# Altium PCB MB1166.PcbDoc (part 36 of 39) (continued)
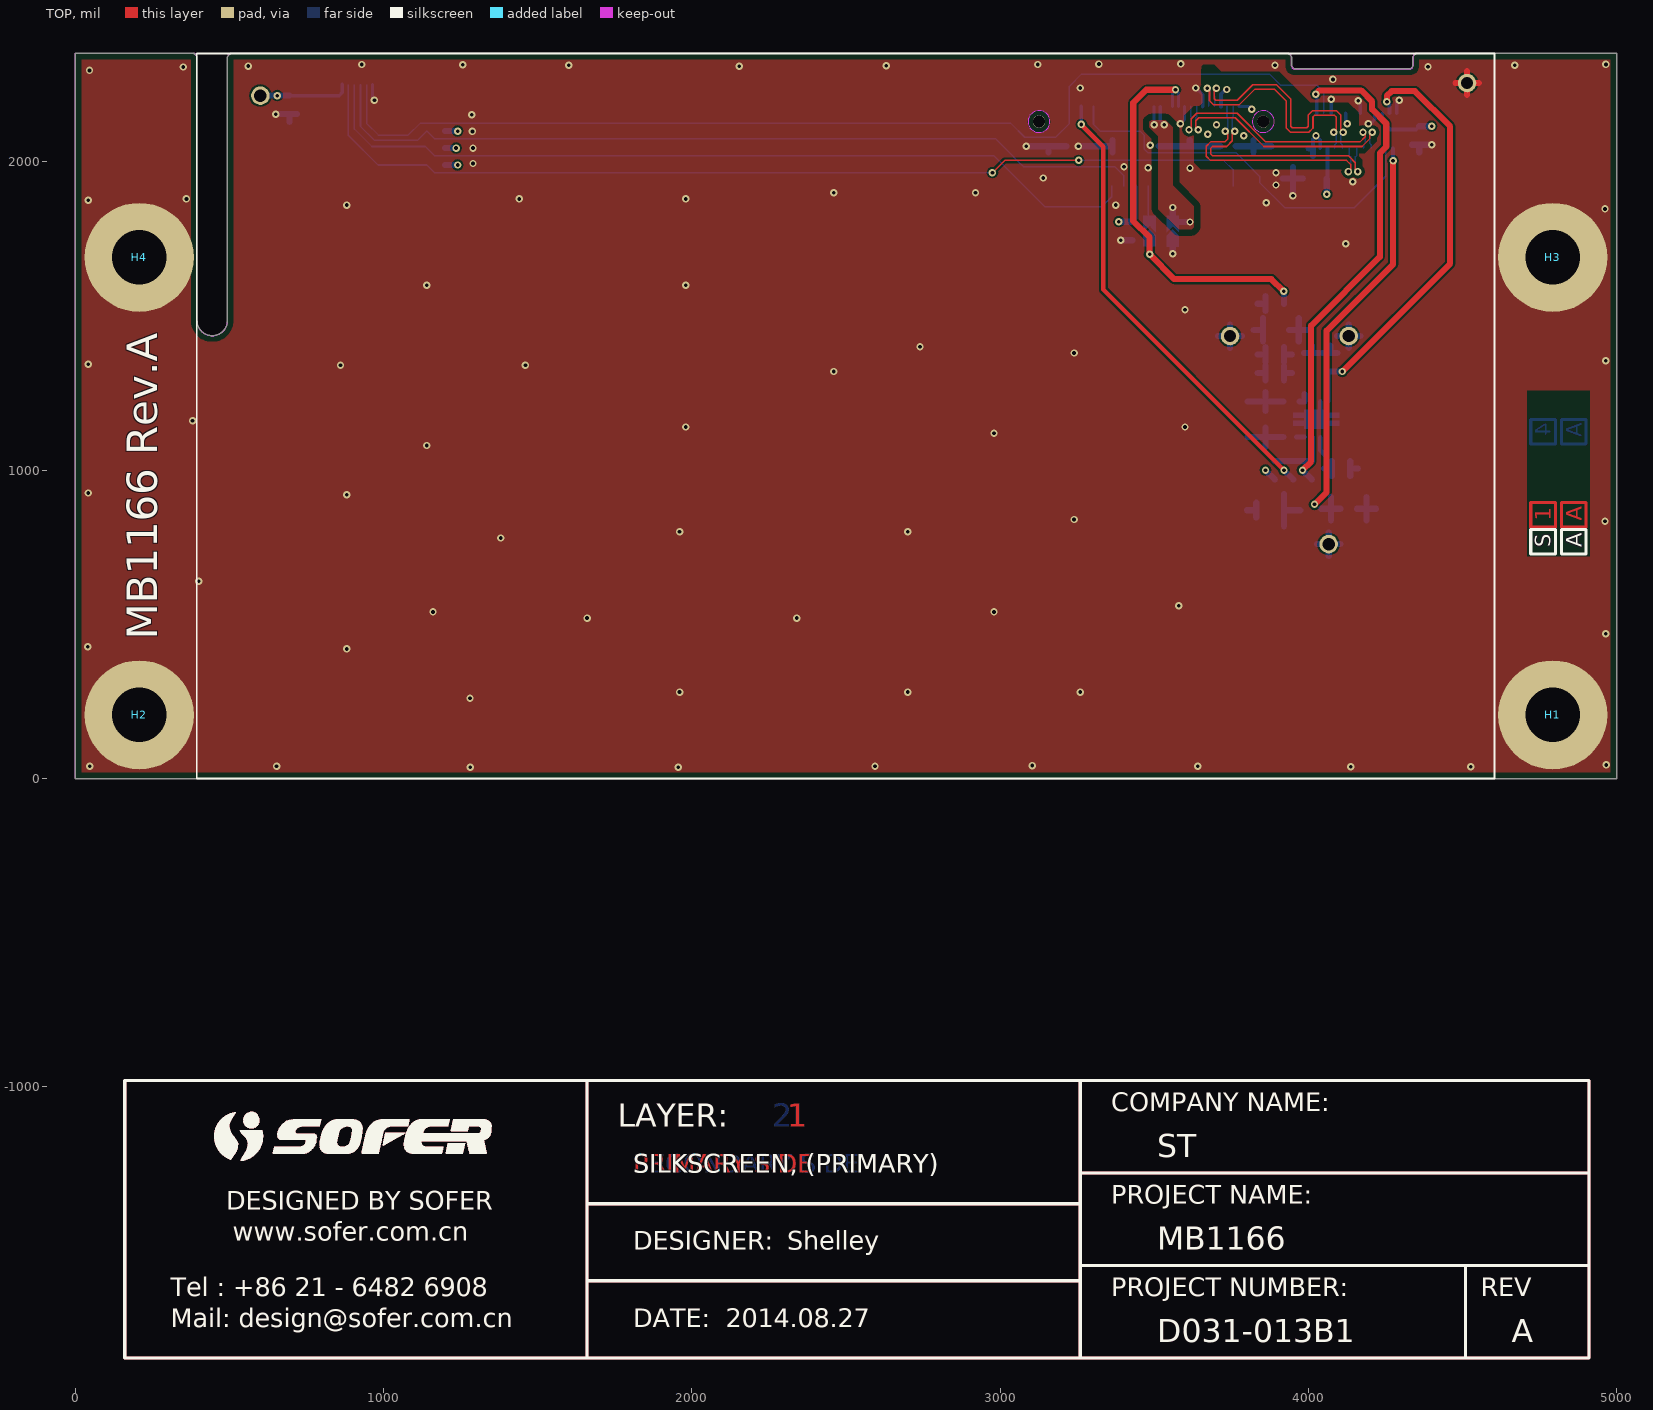
[diagram p0: TOP view]
## Nets (pads, with @x,y where several pads share a name; then routed paths per layer and width w, separated by ;. In a path a pad name is that pad's centre, name@x,y a point inside that pad or via, vN(x,y) a via of type N, cw(c..) or ccw(c..) an arc to the next point about the centre after c; other vN are vias at no path point) (continued)
519.93,-1172.63 ; 519.87,-1172.55 519.93,-1172.63 ; 519.89,-1212.16 519.95,-1212.07 ; 519.89,-1212.16 519.95,-1212.07 ; 519.95,-1212.07 520,-1211.99 ; 519.95,-1212.07 520,-1211.99 ; 519.93,-1172.63 519.98,-1172.72 ; 519.93,-1172.63 519.98,-1172.72 ; 520,-1211.99 520.05,-1211.9 ; 520,-1211.99 520.05,-1211.9 ; 519.98,-1172.72 520.03,-1172.8 ; 519.98,-1172.72 520.03,-1172.8 ; 520.05,-1211.9 520.1,-1211.82 ; 520.05,-1211.9 520.1,-1211.82 ; 520.03,-1172.8 520.09,-1172.89 ; 520.03,-1172.8 520.09,-1172.89 ; 520.1,-1211.82 520.16,-1211.73 ; 520.1,-1211.82 520.16,-1211.73 ; 520.09,-1172.89 520.14,-1172.97 ; 520.09,-1172.89 520.14,-1172.97 ; 520.16,-1211.73 520.21,-1211.65 ; 520.16,-1211.73 520.21,-1211.65 ; 520.14,-1172.97 520.19,-1173.06 ; 520.14,-1172.97 520.19,-1173.06 ; 520.21,-1211.65 520.26,-1211.56 ; 520.21,-1211.65 520.26,-1211.56 ; 520.19,-1173.06 520.24,-1173.14 ; 520.19,-1173.06 520.24,-1173.14 ; 520.26,-1211.56 520.31,-1211.48 ; 520.26,-1211.56 520.31,-1211.48 ; 520.24,-1173.14 520.3,-1173.23 ; 520.24,-1173.14 520.3,-1173.23 ; 520.31,-1211.48 520.36,-1211.39 ; 520.31,-1211.48 520.36,-1211.39 ; 520.3,-1173.23 520.35,-1173.31 ; 520.3,-1173.23 520.35,-1173.31 ; 520.36,-1211.39 520.42,-1211.31 ; 520.36,-1211.39 520.42,-1211.31 ; 520.35,-1173.31 520.4,-1173.4 ; 520.35,-1173.31 520.4,-1173.4 ; 520.42,-1211.31 520.47,-1211.22 ; 520.42,-1211.31 520.47,-1211.22 ; 520.4,-1173.4 520.45,-1173.48 ; 520.4,-1173.4 520.45,-1173.48 ; 520.47,-1211.22 520.52,-1211.14 ; 520.47,-1211.22 520.52,-1211.14 ; 520.45,-1173.48 520.5,-1173.57 ; 520.45,-1173.48 520.5,-1173.57 ; 520.52,-1211.14 520.62,-1210.96 ; 520.52,-1211.14 520.62,-1210.96 ; 520.5,-1173.57 520.55,-1173.65 ; 520.5,-1173.57 520.55,-1173.65 ; 520.55,-1173.65 520.61,-1173.74 ; 520.55,-1173.65 520.61,-1173.74 ; 520.62,-1210.96 520.67,-1210.88 ; 520.62,-1210.96 520.67,-1210.88 ; 520.61,-1173.74 520.66,-1173.83 ; 520.61,-1173.74 520.66,-1173.83 ; 520.67,-1210.88 520.73,-1210.79 ; 520.67,-1210.88 520.73,-1210.79 ; 520.66,-1173.83 520.71,-1173.91 ; 520.66,-1173.83 520.71,-1173.91 ; 520.71,-1173.91 520.76,-1174 ; 520.71,-1173.91 520.76,-1174 ; 520.73,-1210.79 520.78,-1210.71 ; 520.73,-1210.79 520.78,-1210.71 ; 520.76,-1174 520.81,-1174.08 ; 520.76,-1174 520.81,-1174.08 ; 520.78,-1210.71 520.88,-1210.53 ; 520.78,-1210.71 520.88,-1210.53 ; 520.81,-1174.08 520.91,-1174.26 ; 520.81,-1174.08 520.91,-1174.26 ; 520.88,-1210.53 520.93,-1210.45 ; 520.88,-1210.53 520.93,-1210.45 ; 520.91,-1174.26 520.96,-1174.34 ; 520.91,-1174.26 520.96,-1174.34 ; 520.93,-1210.45 520.98,-1210.36 ; 520.93,-1210.45 520.98,-1210.36 ; 520.96,-1174.34 521.01,-1174.43 ; 520.96,-1174.34 521.01,-1174.43 ; 520.98,-1210.36 521.03,-1210.28 ; 520.98,-1210.36 521.03,-1210.28 ; 521.01,-1174.43 521.07,-1174.51 ; 521.01,-1174.43 521.07,-1174.51 ; 521.03,-1210.28 521.13,-1210.1 ; 521.03,-1210.28 521.13,-1210.1 ; 521.07,-1174.51 521.17,-1174.69 ; 521.07,-1174.51 521.17,-1174.69 ; 521.13,-1210.1 521.18,-1210.02 ; 521.13,-1210.1 521.18,-1210.02 ; 521.17,-1174.69 521.22,-1174.77 ; 521.17,-1174.69 521.22,-1174.77 ; 521.18,-1210.02 521.28,-1209.84 ; 521.18,-1210.02 521.28,-1209.84 ; 521.22,-1174.77 521.32,-1174.95 ; 521.22,-1174.77 521.32,-1174.95 ; 521.28,-1209.84 521.33,-1209.76 ; 521.28,-1209.84 521.33,-1209.76 ; 521.32,-1174.95 521.37,-1175.03 ; 521.32,-1174.95 521.37,-1175.03 ; 521.33,-1209.76 521.43,-1209.58 ; 521.33,-1209.76 521.43,-1209.58 ; 521.37,-1175.03 521.42,-1175.12 ; 521.37,-1175.03 521.42,-1175.12 ; 521.42,-1175.12 521.46,-1175.21 ; 521.42,-1175.12 521.46,-1175.21 ; 521.43,-1209.58 521.48,-1209.5 ; 521.43,-1209.58 521.48,-1209.5 ; 521.46,-1175.21 521.51,-1175.29 ; 521.46,-1175.21 521.51,-1175.29 ; 521.48,-1209.5 521.58,-1209.32 ; 521.48,-1209.5 521.58,-1209.32 ; 521.51,-1175.29 521.66,-1175.56 ; 521.51,-1175.29 521.66,-1175.56 ; 521.58,-1209.32 521.63,-1209.24 ; 521.58,-1209.32 521.63,-1209.24 ; 521.63,-1209.24 521.73,-1209.06 ; 521.63,-1209.24 521.73,-1209.06 ; 521.66,-1175.56 521.71,-1175.64 ; 521.66,-1175.56 521.71,-1175.64 ; 521.71,-1175.64 521.86,-1175.91 ; 521.71,-1175.64 521.86,-1175.91 ; 521.73,-1209.06 521.78,-1208.98 ; 521.73,-1209.06 521.78,-1208.98 ; 521.78,-1208.98 521.88,-1208.8 ; 521.78,-1208.98 521.88,-1208.8 ; 521.86,-1175.91 521.9,-1175.99 ; 521.86,-1175.91 521.9,-1175.99 ; 521.88,-1208.8 521.92,-1208.71 ; 521.88,-1208.8 521.92,-1208.71 ; 521.92,-1208.71 521.97,-1208.63 ; 521.92,-1208.71 521.97,-1208.63 ; 521.9,-1175.99 522.05,-1176.26 ; 521.9,-1175.99 522.05,-1176.26 ; 521.97,-1208.63 522.12,-1208.36 ; 521.97,-1208.63 522.12,-1208.36 ; 522.05,-1176.26 522.1,-1176.34 ; 522.05,-1176.26 522.1,-1176.34 ; 522.12,-1208.36 522.16,-1208.27 ; 522.12,-1208.36 522.16,-1208.27 ; 522.1,-1176.34 522.15,-1176.43 ; 522.1,-1176.34 522.15,-1176.43 ; 522.16,-1208.27 522.21,-1208.19 ; 522.16,-1208.27 522.21,-1208.19 ; 522.15,-1176.43 522.19,-1176.52 ; 522.15,-1176.43 522.19,-1176.52 ; 522.21,-1208.19 522.31,-1208.01 ; 522.21,-1208.19 522.31,-1208.01 ; 522.19,-1176.52 522.29,-1176.7 ; 522.19,-1176.52 522.29,-1176.7 ; 522.31,-1208.01 522.35,-1207.92 ; 522.31,-1208.01 522.35,-1207.92 ; 522.29,-1176.7 522.34,-1176.78 ; 522.29,-1176.7 522.34,-1176.78 ; 522.35,-1207.92 522.4,-1207.83 ; 522.35,-1207.92 522.4,-1207.83 ; 522.34,-1176.78 522.38,-1176.87 ; 522.34,-1176.78 522.38,-1176.87 ; 522.4,-1207.83 522.45,-1207.75 ; 522.4,-1207.83 522.45,-1207.75 ; 522.38,-1176.87 522.48,-1177.05 ; 522.38,-1176.87 522.48,-1177.05 ; 522.45,-1207.75 522.49,-1207.66 ; 522.45,-1207.75 522.49,-1207.66 ; 522.49,-1207.66 522.59,-1207.48 ; 522.49,-1207.66 522.59,-1207.48 ; 522.52,-1177.14 522.48,-1177.05 ; 522.52,-1177.14 522.57,-1177.22 ; 522.52,-1177.14 522.48,-1177.05 ; 522.52,-1177.14 522.57,-1177.22 ; 522.57,-1177.22 522.62,-1177.31 ; 522.57,-1177.22 522.62,-1177.31 ; 522.59,-1207.48 522.63,-1207.39 ; 522.59,-1207.48 522.63,-1207.39 ; 522.62,-1177.31 522.66,-1177.4 ; 522.62,-1177.31 522.66,-1177.4 ; 522.63,-1207.39 522.68,-1207.3 ; 522.63,-1207.39 522.68,-1207.3 ; 522.66,-1177.4 522.76,-1177.58 ; 522.66,-1177.4 522.76,-1177.58 ; 522.68,-1207.3 522.72,-1207.21 ; 522.68,-1207.3 522.72,-1207.21 ; 522.72,-1207.21 522.77,-1207.12 ; 522.72,-1207.21 522.77,-1207.12 ; 522.77,-1207.12 522.81,-1207.03 ; 522.77,-1207.12 522.81,-1207.03 ; 522.76,-1177.58 522.8,-1177.67 ; 522.76,-1177.58 522.8,-1177.67 ; 522.81,-1207.03 522.86,-1206.95 ; 522.81,-1207.03 522.86,-1206.95 ; 522.8,-1177.67 522.85,-1177.76 ; 522.8,-1177.67 522.85,-1177.76 ; 522.86,-1206.95 522.9,-1206.86 ; 522.86,-1206.95 522.9,-1206.86 ; 522.85,-1177.76 522.9,-1177.84 ; 522.85,-1177.76 522.9,-1177.84 ; 522.9,-1206.86 522.95,-1206.77 ; 522.9,-1206.86 522.95,-1206.77 ; 522.9,-1177.84 522.94,-1177.93 ; 522.9,-1177.84 522.94,-1177.93 ; 522.95,-1206.77 522.99,-1206.68 ; 522.95,-1206.77 522.99,-1206.68 ; 522.94,-1177.93 522.99,-1178.02 ; 522.94,-1177.93 522.99,-1178.02 ; 522.99,-1206.68 523.04,-1206.59 ; 522.99,-1206.68 523.04,-1206.59 ; 522.99,-1178.02 523.03,-1178.11 ; 522.99,-1178.02 523.03,-1178.11 ; 523.04,-1206.59 523.12,-1206.41 ; 523.04,-1206.59 523.12,-1206.41 ; 523.03,-1178.11 523.08,-1178.2 ; 523.03,-1178.11 523.08,-1178.2 ; 523.12,-1206.41 523.17,-1206.32 ; 523.12,-1206.41 523.17,-1206.32 ; 523.12,-1178.29 523.08,-1178.2 ; 523.12,-1178.29 523.17,-1178.38 ; 523.12,-1178.29 523.08,-1178.2 ; 523.12,-1178.29 523.17,-1178.38 ; 523.17,-1206.32 523.25,-1206.14 ; 523.17,-1206.32 523.25,-1206.14 ; 523.17,-1178.38 523.21,-1178.47 ; 523.17,-1178.38 523.21,-1178.47 ; 523.21,-1178.47 523.26,-1178.56 ; 523.21,-1178.47 523.26,-1178.56 ; 523.25,-1206.14 523.3,-1206.05 ; 523.25,-1206.14 523.3,-1206.05 ; 523.26,-1178.56 523.3,-1178.65 ; 523.26,-1178.56 523.3,-1178.65 ; 523.3,-1206.05 523.34,-1205.96 ; 523.3,-1206.05 523.34,-1205.96 ; 523.3,-1178.65 523.35,-1178.74 ; 523.3,-1178.65 523.35,-1178.74 ; 523.34,-1205.96 523.38,-1205.86 ; 523.34,-1205.96 523.38,-1205.86 ; 523.35,-1178.74 523.39,-1178.82 ; 523.35,-1178.74 523.39,-1178.82 ; 523.38,-1205.86 523.46,-1205.68 ; 523.38,-1205.86 523.46,-1205.68 ; 523.39,-1178.82 523.44,-1178.91 ; 523.39,-1178.82 523.44,-1178.91 ; 523.46,-1205.68 523.51,-1205.59 ; 523.46,-1205.68 523.51,-1205.59 ; 523.44,-1178.91 523.48,-1179 ; 523.44,-1178.91 523.48,-1179 ; 523.51,-1205.59 523.71,-1205.14 ; 523.51,-1205.59 523.71,-1205.14 ; 523.48,-1179 523.53,-1179.09 ; 523.48,-1179 523.53,-1179.09 ; 523.57,-1179.18 523.53,-1179.09 ; 523.57,-1179.18 523.62,-1179.27 ; 523.57,-1179.18 523.53,-1179.09 ; 523.57,-1179.18 523.62,-1179.27 ; 523.62,-1179.27 523.66,-1179.36 ; 523.62,-1179.27 523.66,-1179.36 ; 523.66,-1179.36 523.71,-1179.45 ; 523.66,-1179.36 523.71,-1179.45 ; 523.71,-1205.14 523.75,-1205.04 ; 523.71,-1205.14 523.75,-1205.04 ; 523.71,-1179.45 523.79,-1179.63 ; 523.71,-1179.45 523.79,-1179.63 ; 523.75,-1205.04 523.91,-1204.68 ; 523.75,-1205.04 523.91,-1204.68 ; 523.79,-1179.63 523.84,-1179.72 ; 523.79,-1179.63 523.84,-1179.72 ; 523.84,-1179.72 523.92,-1179.9 ; 523.84,-1179.72 523.92,-1179.9 ; 523.91,-1204.68 523.95,-1204.58 ; 523.91,-1204.68 523.95,-1204.58 ; 523.92,-1179.9 523.97,-1179.99 ; 523.92,-1179.9 523.97,-1179.99 ; 523.95,-1204.58 523.98,-1204.49 ; 523.95,-1204.58 523.98,-1204.49 ; 523.97,-1179.99 524.05,-1180.17 ; 523.97,-1179.99 524.05,-1180.17 ; 523.98,-1204.49 524.06,-1204.31 ; 523.98,-1204.49 524.06,-1204.31 ; 524.06,-1204.31 524.1,-1204.21 ; 524.06,-1204.31 524.1,-1204.21 ; 524.05,-1180.17 524.1,-1180.26 ; 524.05,-1180.17 524.1,-1180.26 ; 524.1,-1204.21 524.13,-1204.12 ; 524.1,-1204.21 524.13,-1204.12 ; 524.1,-1180.26 524.18,-1180.44 ; 524.1,-1180.26 524.18,-1180.44 ; 524.13,-1204.12 524.21,-1203.94 ; 524.13,-1204.12 524.21,-1203.94 ; 524.21,-1203.94 524.24,-1203.84 ; 524.21,-1203.94 524.24,-1203.84 ; 524.18,-1180.44 524.23,-1180.53 ; 524.18,-1180.44 524.23,-1180.53 ; 524.24,-1203.84 524.32,-1203.66 ; 524.24,-1203.84 524.32,-1203.66 ; 524.23,-1180.53 524.35,-1180.8 ; 524.23,-1180.53 524.35,-1180.8 ; 524.32,-1203.66 524.35,-1203.56 ; 524.32,-1203.66 524.35,-1203.56 ; 524.35,-1203.56 524.39,-1203.47 ; 524.35,-1203.56 524.39,-1203.47 ; 524.35,-1180.8 524.4,-1180.9 ; 524.35,-1180.8 524.4,-1180.9 ; 524.39,-1203.47 524.42,-1203.37 ; 524.39,-1203.47 524.42,-1203.37 ; 524.42,-1203.37 524.46,-1203.28 ; 524.42,-1203.37 524.46,-1203.28 ; 524.4,-1180.9 524.6,-1181.35 ; 524.4,-1180.9 524.6,-1181.35 ; 524.46,-1203.28 524.49,-1203.19 ; 524.46,-1203.28 524.49,-1203.19 ; 524.49,-1203.19 524.52,-1203.09 ; 524.49,-1203.19 524.52,-1203.09 ; 524.52,-1203.09 524.56,-1203 ; 524.52,-1203.09 524.56,-1203 ; 524.56,-1203 524.59,-1202.9 ; 524.56,-1203 524.59,-1202.9 ; 524.59,-1202.9 524.62,-1202.81 ; 524.59,-1202.9 524.62,-1202.81 ; 524.62,-1202.81 524.66,-1202.71 ; 524.62,-1202.81 524.66,-1202.71 ; 524.6,-1181.35 524.65,-1181.44 ; 524.6,-1181.35 524.65,-1181.44 ; 524.66,-1202.71 524.72,-1202.53 ; 524.66,-1202.71 524.72,-1202.53 ; 524.65,-1181.44 524.77,-1181.71 ; 524.65,-1181.44 524.77,-1181.71 ; 524.72,-1202.53 524.75,-1202.43 ; 524.72,-1202.53 524.75,-1202.43 ; 524.75,-1202.43 524.78,-1202.34 ; 524.75,-1202.43 524.78,-1202.34 ; 524.77,-1181.71 524.81,-1181.81 ; 524.77,-1181.71 524.81,-1181.81 ; 524.78,-1202.34 524.81,-1202.24 ; 524.78,-1202.34 524.81,-1202.24 ; 524.81,-1202.24 524.85,-1202.15 ; 524.81,-1202.24 524.85,-1202.15 ; 524.81,-1181.81 524.97,-1182.17 ; 524.81,-1181.81 524.97,-1182.17 ; 524.85,-1202.15 524.88,-1202.05 ; 524.85,-1202.15 524.88,-1202.05 ; 524.88,-1202.05 524.91,-1201.96 ; 524.88,-1202.05 524.91,-1201.96 ; 524.91,-1201.96 524.97,-1201.76 ; 524.91,-1201.96 524.97,-1201.76 ; 524.97,-1201.76 525,-1201.67 ; 524.97,-1201.76 525,-1201.67 ; 524.97,-1182.17 525.01,-1182.27 ; 524.97,-1182.17 525.01,-1182.27 ; 525,-1201.67 525.02,-1201.57 ; 525,-1201.67 525.02,-1201.57 ; 525.02,-1201.57 525.05,-1201.48 ; 525.02,-1201.57 525.05,-1201.48 ; 525.01,-1182.27 525.05,-1182.36 ; 525.01,-1182.27 525.05,-1182.36 ; 525.05,-1201.48 525.08,-1201.38 ; 525.05,-1201.48 525.08,-1201.38 ; 525.05,-1182.36 525.08,-1182.45 ; 525.05,-1182.36 525.08,-1182.45 ; 525.08,-1201.38 525.11,-1201.29 ; 525.08,-1201.38 525.11,-1201.29 ; 525.11,-1201.29 525.17,-1201.09 ; 525.11,-1201.29 525.17,-1201.09 ; 525.08,-1182.45 525.16,-1182.63 ; 525.08,-1182.45 525.16,-1182.63 ; 525.17,-1201.09 525.19,-1201 ; 525.17,-1201.09 525.19,-1201 ; 525.16,-1182.63 525.2,-1182.73 ; 525.16,-1182.63 525.2,-1182.73 ; 525.19,-1201 525.25,-1200.8 ; 525.19,-1201 525.25,-1200.8 ; 525.2,-1182.73 525.24,-1182.82 ; 525.2,-1182.73 525.24,-1182.82 ; 525.25,-1200.8 525.27,-1200.71 ; 525.25,-1200.8 525.27,-1200.71 ; 525.27,-1200.71 525.3,-1200.61 ; 525.27,-1200.71 525.3,-1200.61 ; 525.27,-1182.91 525.24,-1182.82 ; 525.27,-1182.91 525.31,-1183.01 ; 525.27,-1182.91 525.24,-1182.82 ; 525.27,-1182.91 525.31,-1183.01 ; 525.3,-1200.61 525.33,-1200.52 ; 525.3,-1200.61 525.33,-1200.52 ; 525.31,-1183.01 525.35,-1183.1 ; 525.31,-1183.01 525.35,-1183.1 ; 525.33,-1200.52 525.35,-1200.42 ; 525.33,-1200.52 525.35,-1200.42 ; 525.35,-1200.42 525.38,-1200.32 ; 525.35,-1200.42 525.38,-1200.32 ; 525.35,-1183.1 525.38,-1183.19 ; 525.35,-1183.1 525.38,-1183.19 ; 525.38,-1200.32 525.4,-1200.22 ; 525.38,-1200.32 525.4,-1200.22 ; 525.4,-1200.22 525.43,-1200.13 ; 525.4,-1200.22 525.43,-1200.13 ; 525.42,-1183.29 525.38,-1183.19 ; 525.42,-1183.29 525.45,-1183.38 ; 525.42,-1183.29 525.38,-1183.19 ; 525.42,-1183.29 525.45,-1183.38 ; 525.43,-1200.13 525.45,-1200.03 ; 525.43,-1200.13 525.45,-1200.03 ; 525.45,-1200.03 525.48,-1199.93 ; 525.45,-1200.03 525.48,-1199.93 ; 525.45,-1183.38 525.49,-1183.47 ; 525.45,-1183.38 525.49,-1183.47 ; 525.48,-1199.93 525.5,-1199.84 ; 525.48,-1199.93 525.5,-1199.84 ; 525.5,-1199.84 525.52,-1199.74 ; 525.5,-1199.84 525.52,-1199.74 ; 525.52,-1199.74 525.55,-1199.64 ; 525.52,-1199.74 525.55,-1199.64 ; 525.52,-1183.57 525.49,-1183.47 ; 525.52,-1183.57 525.56,-1183.66 ; 525.52,-1183.57 525.49,-1183.47 ; 525.52,-1183.57 525.56,-1183.66 ; 525.55,-1199.64 525.57,-1199.55 ; 525.55,-1199.64 525.57,-1199.55 ; 525.57,-1199.55 525.59,-1199.45 ; 525.57,-1199.55 525.59,-1199.45 ; 525.56,-1183.66 525.59,-1183.75 ; 525.56,-1183.66 525.59,-1183.75 ; 525.59,-1199.45 525.62,-1199.35 ; 525.59,-1199.45 525.62,-1199.35 ; 525.62,-1199.35 525.64,-1199.25 ; 525.62,-1199.35 525.64,-1199.25 ; 525.62,-1183.85 525.59,-1183.75 ; 525.62,-1183.85 525.66,-1183.94 ; 525.62,-1183.85 525.59,-1183.75 ; 525.62,-1183.85 525.66,-1183.94 ; 525.64,-1199.25 525.66,-1199.16 ; 525.64,-1199.25 525.66,-1199.16 ; 525.66,-1199.16 525.72,-1198.86 ; 525.66,-1199.16 525.72,-1198.86 ; 525.66,-1183.94 525.69,-1184.04 ; 525.66,-1183.94 525.69,-1184.04 ; 525.72,-1198.86 525.75,-1198.76 ; 525.72,-1198.86 525.75,-1198.76 ; 525.72,-1184.13 525.69,-1184.04 ; 525.72,-1184.13 525.75,-1184.23 ; 525.72,-1184.13 525.69,-1184.04 ; 525.72,-1184.13 525.75,-1184.23 ; 525.75,-1198.76 525.77,-1198.67 ; 525.75,-1198.76 525.77,-1198.67 ; 525.77,-1198.67 525.83,-1198.37 ; 525.77,-1198.67 525.83,-1198.37 ; 525.75,-1184.23 525.78,-1184.32 ; 525.75,-1184.23 525.78,-1184.32 ; 525.82,-1184.42 525.78,-1184.32 ; 525.82,-1184.42 525.85,-1184.51 ; 525.82,-1184.42 525.78,-1184.32 ; 525.82,-1184.42 525.85,-1184.51 ; 525.83,-1198.37 525.85,-1198.28 ; 525.83,-1198.37 525.85,-1198.28 ; 525.85,-1198.28 525.91,-1197.98 ; 525.85,-1198.28 525.91,-1197.98 ; 525.85,-1184.51 525.88,-1184.61 ; 525.85,-1184.51 525.88,-1184.61 ; 525.91,-1197.98 525.92,-1197.88 ; 525.91,-1197.98 525.92,-1197.88 ; 525.92,-1197.88 525.94,-1197.78 ; 525.92,-1197.88 525.94,-1197.78 ; 525.9,-1184.7 525.88,-1184.61 ; 525.9,-1184.7 525.96,-1184.9 ; 525.9,-1184.7 525.88,-1184.61 ; 525.9,-1184.7 525.96,-1184.9 ; 525.94,-1197.78 525.96,-1197.69 ; 525.94,-1197.78 525.96,-1197.69 ; 525.96,-1197.69 526,-1197.49 ; 525.96,-1197.69 526,-1197.49 ; 525.96,-1184.9 525.99,-1184.99 ; 525.96,-1184.9 525.99,-1184.99 ; 526,-1197.49 526.01,-1197.39 ; 526,-1197.49 526.01,-1197.39 ; 526.01,-1197.39 526.05,-1197.19 ; 526.01,-1197.39 526.05,-1197.19 ; 526.02,-1185.09 525.99,-1184.99 ; 526.02,-1185.09 526.04,-1185.18 ; 526.02,-1185.09 525.99,-1184.99 ; 526.02,-1185.09 526.04,-1185.18 ; 526.05,-1197.19 526.07,-1197.1 ; 526.05,-1197.19 526.07,-1197.1 ; 526.07,-1197.1 526.08,-1197 ; 526.07,-1197.1 526.08,-1197 ; 526.04,-1185.18 526.1,-1185.38 ; 526.04,-1185.18 526.1,-1185.38 ; 526.08,-1197 526.1,-1196.9 ; 526.08,-1197 526.1,-1196.9 ; 526.1,-1196.9 526.11,-1196.8 ; 526.1,-1196.9 526.11,-1196.8 ; 526.11,-1196.8 526.15,-1196.6 ; 526.11,-1196.8 526.15,-1196.6 ; 526.12,-1185.47 526.1,-1185.38 ; 526.12,-1185.47 526.14,-1185.57 ; 526.12,-1185.47 526.1,-1185.38 ; 526.12,-1185.47 526.14,-1185.57 ; 526.15,-1196.6 526.16,-1196.5 ; 526.15,-1196.6 526.16,-1196.5 ; 526.16,-1196.5 526.18,-1196.4 ; 526.16,-1196.5 526.18,-1196.4 ; 526.17,-1185.67 526.14,-1185.57 ; 526.17,-1185.67 526.19,-1185.77 ; 526.17,-1185.67 526.14,-1185.57 ; 526.17,-1185.67 526.19,-1185.77 ; 526.18,-1196.4 526.19,-1196.31 ; 526.18,-1196.4 526.19,-1196.31 ; 526.19,-1196.31 526.21,-1196.21 ; 526.19,-1196.31 526.21,-1196.21 ; 526.21,-1196.21 526.22,-1196.11 ; 526.21,-1196.21 526.22,-1196.11 ; 526.22,-1196.11 526.24,-1196.01 ; 526.22,-1196.11 526.24,-1196.01 ; 526.21,-1185.86 526.19,-1185.77 ; 526.21,-1185.86 526.24,-1185.96 ; 526.21,-1185.86 526.19,-1185.77 ; 526.21,-1185.86 526.24,-1185.96 ; 526.24,-1196.01 526.26,-1195.81 ; 526.24,-1196.01 526.26,-1195.81 ; 526.26,-1195.81 526.28,-1195.71 ; 526.26,-1195.81 526.28,-1195.71 ; 526.24,-1185.96 526.28,-1186.16 ; 526.24,-1185.96 526.28,-1186.16 ; 526.28,-1195.71 526.3,-1195.51 ; 526.28,-1195.71 526.3,-1195.51 ; 526.3,-1195.51 526.32,-1195.41 ; 526.3,-1195.51 526.32,-1195.41 ; 526.32,-1195.41 526.33,-1195.31 ; 526.32,-1195.41 526.33,-1195.31 ; 526.3,-1186.25 526.28,-1186.16 ; 526.3,-1186.25 526.36,-1186.55 ; 526.3,-1186.25 526.28,-1186.16 ; 526.3,-1186.25 526.36,-1186.55 ; 526.33,-1195.31 526.34,-1195.22 ; 526.33,-1195.31 526.34,-1195.22 ; 526.34,-1195.22 526.35,-1195.12 ; 526.34,-1195.22 526.35,-1195.12 ; 526.35,-1195.12 526.37,-1195.02 ; 526.35,-1195.12 526.37,-1195.02 ; 526.37,-1195.02 526.51,-1193.62 ; 526.37,-1195.02 526.51,-1193.62 ; 526.37,-1186.65 526.36,-1186.55 ; 526.37,-1186.65 526.39,-1186.75 ; 526.37,-1186.65 526.36,-1186.55 ; 526.37,-1186.65 526.39,-1186.75 ; 526.42,-1186.94 526.41,-1186.84 ; 526.42,-1186.94 526.44,-1187.04 ; 526.42,-1186.94 526.41,-1186.84 ; 526.42,-1186.94 526.44,-1187.04 ; 526.41,-1186.84 526.39,-1186.75 ; 526.41,-1186.84 526.39,-1186.75 ; 526.47,-1187.24 526.45,-1187.14 ; 526.47,-1187.24 526.48,-1187.34 ; 526.47,-1187.24 526.45,-1187.14 ; 526.47,-1187.24 526.48,-1187.34 ; 526.45,-1187.14 526.44,-1187.04 ; 526.45,-1187.14 526.44,-1187.04 ; 526.51,-1193.62 526.52,-1193.53 ; 526.51,-1193.62 526.52,-1193.53 ; 526.52,-1193.53 526.55,-1193.23 ; 526.52,-1193.53 526.55,-1193.23 ; 526.5,-1187.44 526.48,-1187.34 ; 526.5,-1187.44 526.53,-1187.74 ; 526.5,-1187.44 526.48,-1187.34 ; 526.5,-1187.44 526.53,-1187.74 ; 526.55,-1193.23 526.55,-1193.13 ; 526.55,-1193.23 526.55,-1193.13 ; 526.55,-1193.13 526.58,-1192.83 ; 526.55,-1193.13 526.58,-1192.83 ; 526.54,-1187.83 526.53,-1187.74 ; 526.54,-1187.83 526.62,-1188.63 ; 526.54,-1187.83 526.53,-1187.74 ; 526.54,-1187.83 526.62,-1188.63 ; 526.58,-1192.83 526.58,-1192.73 ; 526.58,-1192.83 526.58,-1192.73 ; 526.58,-1192.73 526.6,-1192.53 ; 526.58,-1192.73 526.6,-1192.53 ; 526.6,-1192.53 526.6,-1192.43 ; 526.6,-1192.53 526.6,-1192.43 ; 526.6,-1192.43 526.62,-1192.23 ; 526.6,-1192.43 526.62,-1192.23 ; 526.62,-1192.23 526.62,-1192.13 ; 526.62,-1192.23 526.62,-1192.13 ; 526.62,-1192.13 526.63,-1192.03 ; 526.62,-1192.13 526.63,-1192.03 ; 526.62,-1188.73 526.62,-1188.63 ; 526.62,-1188.73 526.63,-1188.83 ; 526.62,-1188.73 526.62,-1188.63 ; 526.62,-1188.73 526.63,-1188.83 ; 526.63,-1192.03 526.63,-1191.93 ; 526.63,-1192.03 526.63,-1191.93 ; 526.63,-1191.93 526.64,-1191.83 ; 526.63,-1191.93 526.64,-1191.83 ; 526.64,-1191.83 526.64,-1191.73 ; 526.64,-1191.83 526.64,-1191.73 ; 526.64,-1191.73 526.65,-1191.63 ; 526.64,-1191.73 526.65,-1191.63 ; 526.65,-1191.63 526.65,-1191.43 ; 526.65,-1191.63 526.65,-1191.43 ; 526.65,-1191.43 526.66,-1191.33 ; 526.65,-1191.43 526.66,-1191.33 ; 526.66,-1191.33 526.66,-1191.13 ; 526.66,-1191.33 526.66,-1191.13 ; 526.66,-1191.13 526.67,-1191.03 ; 526.66,-1191.13 526.67,-1191.03 ; 526.67,-1191.03 526.67,-1189.73 ; 526.67,-1191.03 526.67,-1189.73 ; 526.67,-1189.73 526.66,-1189.63 ; 526.67,-1189.73 526.66,-1189.63 ; 526.66,-1189.63 526.66,-1189.43 ; 526.66,-1189.63 526.66,-1189.43 ; 526.66,-1189.43 526.65,-1189.33 ; 526.66,-1189.43 526.65,-1189.33 ; 526.65,-1189.33 526.65,-1189.23 ; 526.65,-1189.33 526.65,-1189.23 ; 526.65,-1189.23 526.64,-1189.13 ; 526.65,-1189.23 526.64,-1189.13 ; 526.64,-1189.13 526.64,-1189.03 ; 526.64,-1189.13 526.64,-1189.03 ; 526.64,-1189.03 526.63,-1188.93 ; 526.64,-1189.03 526.63,-1188.93 ; 526.63,-1188.93 526.63,-1188.83 ; 526.63,-1188.93 526.63,-1188.83 ; 534.07,-1141.67 534.1,-1141.77 ; 534.07,-1141.67 606.33,-1141.67 534.07,-1141.67 ; 534.07,-1141.67 534.1,-1141.77 ; 534.1,-1141.77 534.14,-1141.86 ; 534.1,-1141.77 534.14,-1141.86 ; 534.17,-1141.95 534.14,-1141.86 ; 534.17,-1141.95 534.21,-1142.05 ; 534.17,-1141.95 534.14,-1141.86 ; 534.17,-1141.95 534.21,-1142.05 ; 534.21,-1142.05 534.24,-1142.14 ; 534.21,-1142.05 534.24,-1142.14 ; 534.24,-1142.14 534.28,-1142.24 ; 534.24,-1142.14 534.28,-1142.24 ; 534.31,-1142.33 534.28,-1142.24 ; 534.31,-1142.33 534.39,-1142.51 ; 534.31,-1142.33 534.28,-1142.24 ; 534.31,-1142.33 534.39,-1142.51 ; 534.39,-1142.51 534.43,-1142.61 ; 534.39,-1142.51 534.43,-1142.61 ; 534.46,-1142.7 534.43,-1142.61 ; 534.46,-1142.7 534.62,-1143.06 ; 534.46,-1142.7 534.43,-1142.61 ; 534.46,-1142.7 534.62,-1143.06 ; 534.62,-1143.06 534.67,-1143.16 ; 534.62,-1143.06 534.67,-1143.16 ; 534.67,-1143.16 534.79,-1143.43 ; 534.67,-1143.16 534.79,-1143.43 ; 534.79,-1143.43 534.84,-1143.52 ; 534.79,-1143.43 534.84,-1143.52 ; 534.84,-1143.52 534.88,-1143.61 ; 534.84,-1143.52 534.88,-1143.61 ; 534.88,-1143.61 534.93,-1143.7 ; 534.88,-1143.61 534.93,-1143.7 ; 534.97,-1143.79 534.93,-1143.7 ; 534.97,-1143.79 535.02,-1143.88 ; 534.97,-1143.79 534.93,-1143.7 ; 534.97,-1143.79 535.02,-1143.88 ; 535.02,-1143.88 535.06,-1143.96 ; 535.02,-1143.88 535.06,-1143.96 ; 535.06,-1143.96 535.16,-1144.14 ; 535.06,-1143.96 535.16,-1144.14 ; 535.16,-1144.14 535.2,-1144.23 ; 535.16,-1144.14 535.2,-1144.23 ; 535.2,-1144.23 535.25,-1144.32 ; 535.2,-1144.23 535.25,-1144.32 ; 535.25,-1144.32 535.3,-1144.4 ; 535.25,-1144.32 535.3,-1144.4 ; 535.3,-1144.4 535.45,-1144.67 ; 535.3,-1144.4 535.45,-1144.67 ; 535.45,-1144.67 535.5,-1144.75 ; 535.45,-1144.67 535.5,-1144.75 ; 535.5,-1144.75 535.55,-1144.84 ; 535.5,-1144.75 535.55,-1144.84 ; 535.55,-1144.84 535.6,-1144.92 ; 535.55,-1144.84 535.6,-1144.92 ; 535.6,-1144.92 535.7,-1145.1 ; 535.6,-1144.92 535.7,-1145.1 ; 535.7,-1145.1 535.75,-1145.18 ; 535.7,-1145.1 535.75,-1145.18 ; 535.75,-1145.18 535.81,-1145.27 ; 535.75,-1145.18 535.81,-1145.27 ; 535.81,-1145.27 535.86,-1145.35 ; 535.81,-1145.27 535.86,-1145.35 ; 535.86,-1145.35 535.91,-1145.44 ; 535.86,-1145.35 535.91,-1145.44 ; 535.91,-1145.44 535.97,-1145.52 ; 535.91,-1145.44 535.97,-1145.52 ; 535.97,-1145.52 536.02,-1145.6 ; 535.97,-1145.52 536.02,-1145.6 ; 536.02,-1145.6 536.07,-1145.69 ; 536.02,-1145.6 536.07,-1145.69 ; 536.07,-1145.69 536.13,-1145.77 ; 536.07,-1145.69 536.13,-1145.77 ; 536.13,-1145.77 536.18,-1145.86 ; 536.13,-1145.77 536.18,-1145.86 ; 536.18,-1145.86 536.3,-1146.02 ; 536.18,-1145.86 536.3,-1146.02 ; 536.3,-1146.02 536.35,-1146.1 ; 536.3,-1146.02 536.35,-1146.1 ; 536.35,-1146.1 536.41,-1146.19 ; 536.35,-1146.1 536.41,-1146.19 ; 536.41,-1146.19 536.46,-1146.27 ; 536.41,-1146.19 536.46,-1146.27 ; 536.46,-1146.27 536.64,-1146.51 ; 536.46,-1146.27 536.64,-1146.51 ; 536.64,-1146.51 536.69,-1146.6 ; 536.64,-1146.51 536.69,-1146.6 ; 536.69,-1146.6 537.47,-1147.64 ; 536.69,-1146.6 537.47,-1147.64 ; 537.1,-1239.53 537.15,-1239.45 ; 537.1,-1239.53 537.15,-1239.45 ; 537.15,-1239.45 537.25,-1239.27 ; 537.15,-1239.45 537.25,-1239.27 ; 537.25,-1239.27 537.3,-1239.19 ; 537.25,-1239.27 537.3,-1239.19 ; 537.3,-1239.19 537.35,-1239.1 ; 537.3,-1239.19 537.35,-1239.1 ; 537.35,-1239.1 537.41,-1239.02 ; 537.35,-1239.1 537.41,-1239.02 ; 537.41,-1239.02 537.51,-1238.84 ; 537.41,-1239.02 537.51,-1238.84 ; 537.47,-1147.64 537.54,-1147.72 ; 537.47,-1147.64 537.54,-1147.72 ; 537.51,-1238.84 537.56,-1238.76 ; 537.51,-1238.84 537.56,-1238.76 ; 537.56,-1238.76 537.66,-1238.58 ; 537.56,-1238.76 537.66,-1238.58 ; 537.54,-1147.72 537.6,-1147.79 ; 537.54,-1147.72 537.6,-1147.79 ; 537.6,-1147.79 537.72,-1147.95 ; 537.6,-1147.79 537.72,-1147.95 ; 537.66,-1238.58 537.71,-1238.5 ; 537.66,-1238.58 537.71,-1238.5 ; 537.71,-1238.5 537.76,-1238.41 ; 537.71,-1238.5 537.76,-1238.41 ; 537.72,-1147.95 537.79,-1148.03 ; 537.72,-1147.95 537.79,-1148.03 ; 537.76,-1238.41 537.81,-1238.33 ; 537.76,-1238.41 537.81,-1238.33 ; 537.81,-1238.33 537.91,-1238.15 ; 537.81,-1238.33 537.91,-1238.15 ; 537.79,-1148.03 537.85,-1148.11 ; 537.79,-1148.03 537.85,-1148.11 ; 537.85,-1148.11 537.91,-1148.18 ; 537.85,-1148.11 537.91,-1148.18 ; 537.91,-1238.15 537.96,-1238.07 ; 537.91,-1238.15 537.96,-1238.07 ; 537.91,-1148.18 537.98,-1148.26 ; 537.91,-1148.18 537.98,-1148.26 ; 537.96,-1238.07 538.06,-1237.89 ; 537.96,-1238.07 538.06,-1237.89 ; 537.98,-1148.26 538.04,-1148.34 ; 537.98,-1148.26 538.04,-1148.34 ; 538.06,-1237.89 538.11,-1237.81 ; 538.06,-1237.89 538.11,-1237.81 ; 538.04,-1148.34 538.1,-1148.41 ; 538.04,-1148.34 538.1,-1148.41 ; 538.11,-1237.81 538.21,-1237.63 ; 538.11,-1237.81 538.21,-1237.63 ; 538.1,-1148.41 538.17,-1148.49 ; 538.1,-1148.41 538.17,-1148.49 ; 538.17,-1148.49 538.29,-1148.65 ; 538.17,-1148.49 538.29,-1148.65 ; 538.21,-1237.63 538.26,-1237.55 ; 538.21,-1237.63 538.26,-1237.55 ; 538.26,-1237.55 538.36,-1237.37 ; 538.26,-1237.55 538.36,-1237.37 ; 538.29,-1148.65 538.36,-1148.72 ; 538.29,-1148.65 538.36,-1148.72 ; 538.36,-1237.37 538.41,-1237.29 ; 538.36,-1237.37 538.41,-1237.29 ; 538.36,-1148.72 538.42,-1148.8 ; 538.36,-1148.72 538.42,-1148.8 ; 538.41,-1237.29 538.51,-1237.11 ; 538.41,-1237.29 538.51,-1237.11 ; 538.42,-1148.8 538.49,-1148.87 ; 538.42,-1148.8 538.49,-1148.87 ; 538.51,-1237.11 538.56,-1237.03 ; 538.51,-1237.11 538.56,-1237.03 ; 538.49,-1148.87 538.55,-1148.95 ; 538.49,-1148.87 538.55,-1148.95 ; 538.56,-1237.03 538.66,-1236.85 ; 538.56,-1237.03 538.66,-1236.85 ; 538.55,-1148.95 538.62,-1149.03 ; 538.55,-1148.95 538.62,-1149.03 ; 538.62,-1149.03 538.68,-1149.1 ; 538.62,-1149.03 538.68,-1149.1 ; 538.66,-1236.85 538.71,-1236.77 ; 538.66,-1236.85 538.71,-1236.77 ; 538.71,-1236.77 538.81,-1236.59 ; 538.71,-1236.77 538.81,-1236.59 ; 538.68,-1149.1 538.75,-1149.18 ; 538.68,-1149.1 538.75,-1149.18 ; 538.75,-1149.18 538.82,-1149.25 ; 538.75,-1149.18 538.82,-1149.25 ; 538.81,-1236.59 538.86,-1236.51 ; 538.81,-1236.59 538.86,-1236.51 ; 538.82,-1149.25 538.88,-1149.33 ; 538.82,-1149.25 538.88,-1149.33 ; 538.86,-1236.51 539.01,-1236.24 ; 538.86,-1236.51 539.01,-1236.24 ; 538.88,-1149.33 538.95,-1149.4 ; 538.88,-1149.33 538.95,-1149.4 ; 538.95,-1149.4 539.01,-1149.48 ; 538.95,-1149.4 539.01,-1149.48 ; 539.01,-1236.24 539.05,-1236.16 ; 539.01,-1236.24 539.05,-1236.16 ; 539.01,-1149.48 539.08,-1149.55 ; 539.01,-1149.48 539.08,-1149.55 ; 539.05,-1236.16 539.15,-1235.98 ; 539.05,-1236.16 539.15,-1235.98 ; 539.08,-1149.55 539.15,-1149.63 ; 539.08,-1149.55 539.15,-1149.63 ; 539.15,-1235.98 539.2,-1235.9 ; 539.15,-1235.98 539.2,-1235.9 ; 539.15,-1149.63 539.21,-1149.7 ; 539.15,-1149.63 539.21,-1149.7 ; 539.2,-1235.9 539.35,-1235.63 ; 539.2,-1235.9 539.35,-1235.63 ; 539.21,-1149.7 539.28,-1149.78 ; 539.21,-1149.7 539.28,-1149.78 ; 539.28,-1149.78 539.35,-1149.85 ; 539.28,-1149.78 539.35,-1149.85 ; 539.35,-1235.63 539.4,-1235.55 ; 539.35,-1235.63 539.4,-1235.55 ; 539.35,-1149.85 539.41,-1149.93 ; 539.35,-1149.85 539.41,-1149.93 ; 539.4,-1235.55 539.44,-1235.46 ; 539.4,-1235.55 539.44,-1235.46 ; 539.41,-1149.93 539.55,-1150.07 ; 539.41,-1149.93 539.55,-1150.07 ; 539.44,-1235.46 539.54,-1235.28 ; 539.44,-1235.46 539.54,-1235.28 ; 539.54,-1235.28 539.59,-1235.2 ; 539.54,-1235.28 539.59,-1235.2 ; 539.55,-1150.07 539.61,-1150.15 ; 539.55,-1150.07 539.61,-1150.15